# Altium PCB CFD_V1.03.PcbDoc (part 7 of 10)
Units mm, origin at the board's own origin, x right, y up, seen from the top; angles counter-clockwise.
Board outline 96.25 x 362.25 mm, 6 copper layers (Top, L2, L3, L4, L5, Bot), stack 1.496 mm thick; 1353 components, 761 nets, 4147 pads, 1354 vias.
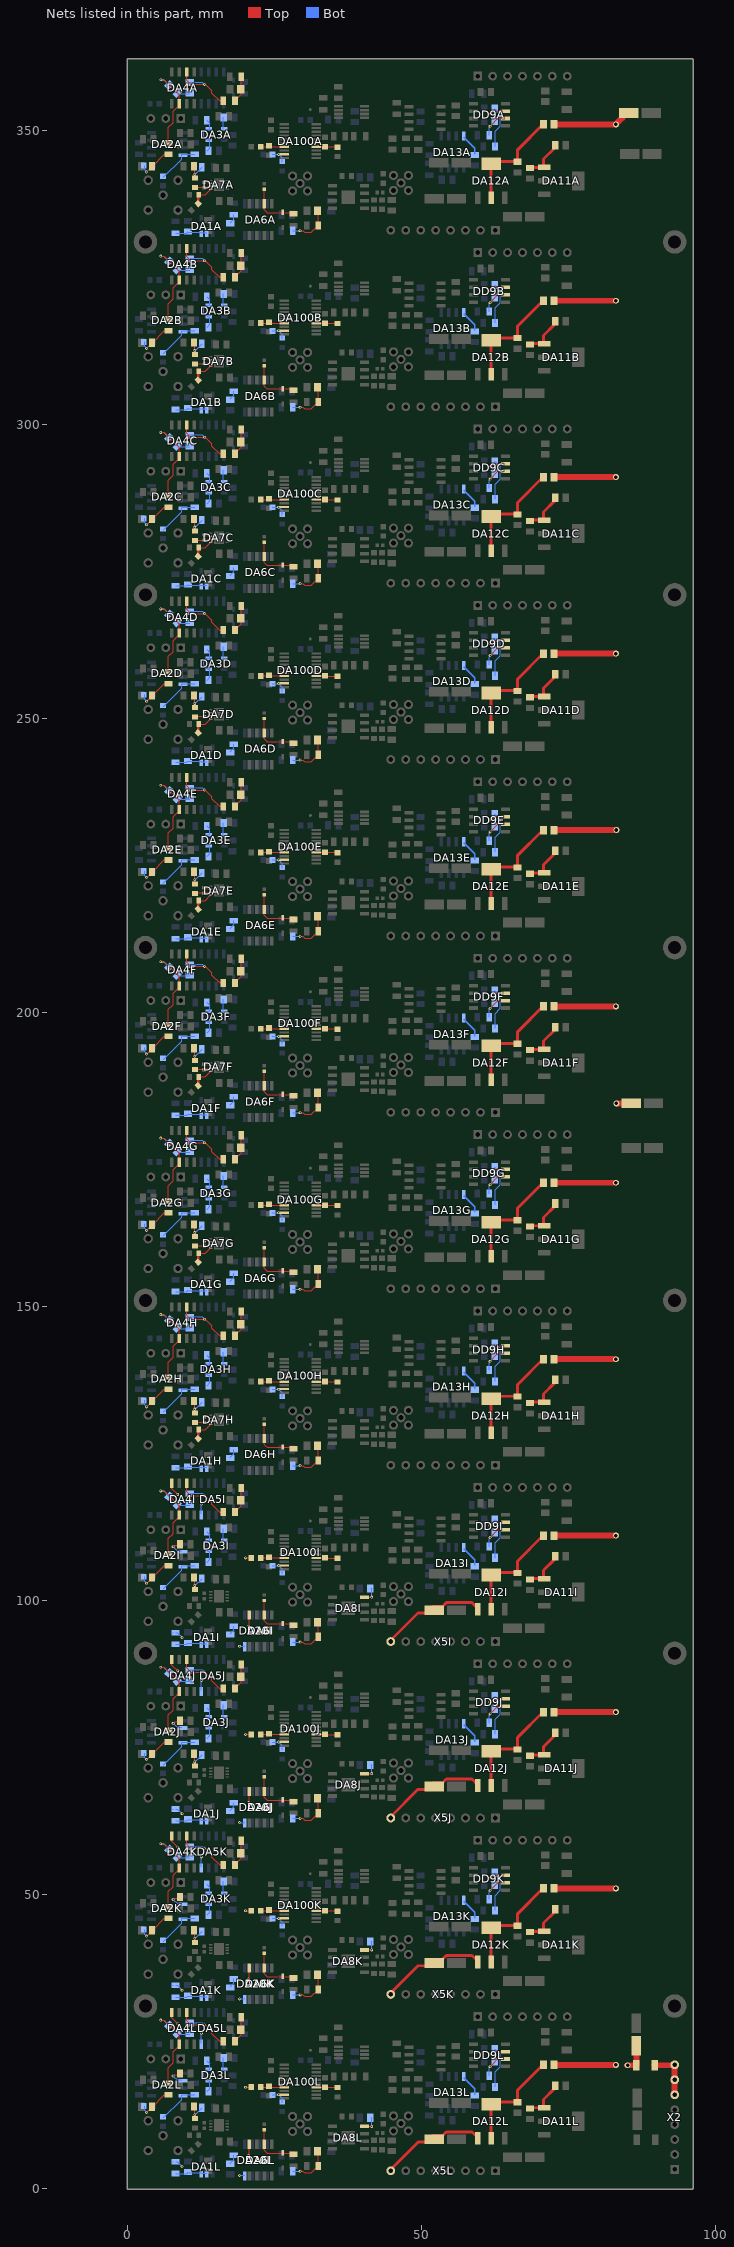
[diagram p11: the nets of this part, all layers, seen from the top]

## Via types
v1: diameter 0.48, hole 0.25, Top to Bot, tented both sides, 1301 vias
v2: diameter 1, hole 0.6, Top to Bot, tented both sides, 46 vias
v3: diameter 0.2/0.48/0.48/0.48/0.48/0.48 (per signal layer), hole 0.25, Top to Bot, tented both sides, 3 vias
v4: diameter 0.2/0/0/0/0/0.48 (per signal layer), hole 0.25, Top to Bot, tented both sides, 3 vias
v5: diameter 0.48/0.48/0.48/0.48/0.48/0.48 (per signal layer), hole 0.25, Top to Bot, tented both sides, 1 vias

## Nets (pads, with @x,y where several pads share a name; then routed paths per layer and width w, separated by ;. In a path a pad name is that pad's centre, name@x,y a point inside that pad or via, vN(x,y) a via of type N, cw(c..) or ccw(c..) an arc to the next point about the centre after c; other vN are vias at no path point) (continued)
N5V0I: C10I.2 C38I.2 C146I.2 DA2I.6 DA4I.4 DA5I.4 DA6I.4 DA8I.4 DA12I.1 DA20I.4 L300I.1 R1I.1 X5I.8 | length 34.1
  Top w0.2: DA4I.4@7.46,119.7 7.46,118.995 8.455,118 v1(8.5,118) ; v1(7.7,109.1) 7.776,109.1 8,109.324 8.43,109.324 8.8,109.694 C10I.2@8.8,109.7 ; v1(20.03,107.2) 21.18,107.2 21.18,107.297 L300I.1@20.926,107.551 ; v1(20.5,95.6) 20.5,95.676 20.66,95.836 DA6I.4@20.66,97.3 ; DA8I.4@40,100.54 40.03,100.54 v1(41.5,100.54)
  Top w0.5: X5I.8@44.77,93.25 49.37,97.85 50.65,97.85 51.2,98.4 51.75,98.95 53.519,98.95 54.169,99.6 58.55,99.6 59.5,98.65 DA12I.1@59.5,98.4
  Bot w0.2: R1I.1@7.43,94.5 R1I.1@7.73,94.5 ; v1(7.7,109.1) 7.745,109.1 8.405,108.44 DA2I.6@9.2,108.44 ; R1I.1@8.13,94.5 8.43,94.5 v1(9.23,93.7) ; DA5I.4@12.53,114.7 v1(12.53,116.37) ; v1(19,92.2) 19.79,92.2 DA20I.4@19.9,92.31 ; C38I.2@41.33,102.1 41.5,101.93 v1(41.5,100.54)
N5V0J: C10J.2 C38J.2 C146J.2 DA2J.6 DA4J.4 DA5J.4 DA6J.4 DA8J.4 DA12J.1 DA20J.4 L300J.1 R1J.1 X5J.8 | length 34.1
  Top w0.2: DA4J.4@7.46,89.7 7.46,88.995 8.455,88 v1(8.5,88) ; v1(7.7,79.1) 7.776,79.1 8,79.324 8.43,79.324 8.8,79.694 C10J.2@8.8,79.7 ; v1(20.03,77.2) 21.18,77.2 21.18,77.297 L300J.1@20.926,77.551 ; v1(20.5,65.6) 20.5,65.676 20.66,65.836 DA6J.4@20.66,67.3 ; DA8J.4@40,70.54 40.03,70.54 v1(41.5,70.54)
  Top w0.5: X5J.8@44.77,63.25 49.37,67.85 50.65,67.85 51.2,68.4 51.75,68.95 53.519,68.95 54.169,69.6 58.55,69.6 59.5,68.65 DA12J.1@59.5,68.4
  Bot w0.2: R1J.1@7.43,64.5 R1J.1@7.73,64.5 ; v1(7.7,79.1) 7.745,79.1 8.405,78.44 DA2J.6@9.2,78.44 ; R1J.1@8.13,64.5 8.43,64.5 v1(9.23,63.7) ; DA5J.4@12.53,84.7 v1(12.53,86.37) ; v1(19,62.2) 19.79,62.2 DA20J.4@19.9,62.31 ; C38J.2@41.33,72.1 41.5,71.93 v1(41.5,70.54)
N5V0K: C10K.2 C38K.2 C146K.2 DA2K.6 DA4K.4 DA5K.4 DA6K.4 DA8K.4 DA12K.1 DA20K.4 L300K.1 R1K.1 X5K.8 | length 34.1
  Top w0.2: DA4K.4@7.46,59.7 7.46,58.995 8.455,58 v1(8.5,58) ; v1(7.7,49.1) 7.776,49.1 8,49.324 8.43,49.324 8.8,49.694 C10K.2@8.8,49.7 ; v1(20.03,47.2) 21.18,47.2 21.18,47.297 L300K.1@20.926,47.551 ; v1(20.5,35.6) 20.5,35.676 20.66,35.836 DA6K.4@20.66,37.3 ; DA8K.4@40,40.54 40.03,40.54 v1(41.5,40.54)
  Top w0.5: X5K.8@44.77,33.25 49.37,37.85 50.65,37.85 51.2,38.4 51.75,38.95 53.519,38.95 54.169,39.6 58.55,39.6 59.5,38.65 DA12K.1@59.5,38.4
  Bot w0.2: R1K.1@7.43,34.5 R1K.1@7.73,34.5 ; v1(7.7,49.1) 7.745,49.1 8.405,48.44 DA2K.6@9.2,48.44 ; R1K.1@8.13,34.5 8.43,34.5 v1(9.23,33.7) ; DA5K.4@12.53,54.7 v1(12.53,56.37) ; v1(19,32.2) 19.79,32.2 DA20K.4@19.9,32.31 ; C38K.2@41.33,42.1 41.5,41.93 v1(41.5,40.54)
N5V0L: C10L.2 C38L.2 C146L.2 DA2L.6 DA4L.4 DA5L.4 DA6L.4 DA8L.4 DA12L.1 DA20L.4 L300L.1 R1L.1 X5L.8 | length 34.1
  Top w0.2: DA4L.4@7.46,29.7 7.46,28.995 8.455,28 v1(8.5,28) ; v1(7.7,19.1) 7.776,19.1 8,19.324 8.43,19.324 8.8,19.694 C10L.2@8.8,19.7 ; v1(20.03,17.2) 21.18,17.2 21.18,17.297 L300L.1@20.926,17.551 ; v1(20.5,5.6) 20.5,5.676 20.66,5.836 DA6L.4@20.66,7.3 ; DA8L.4@40,10.54 40.03,10.54 v1(41.5,10.54)
  Top w0.5: X5L.8@44.77,3.25 49.37,7.85 50.65,7.85 51.2,8.4 51.75,8.95 53.519,8.95 54.169,9.6 58.55,9.6 59.5,8.65 DA12L.1@59.5,8.4
  Bot w0.2: R1L.1@7.43,4.5 R1L.1@7.73,4.5 ; v1(7.7,19.1) 7.745,19.1 8.405,18.44 DA2L.6@9.2,18.44 ; R1L.1@8.13,4.5 8.43,4.5 v1(9.23,3.7) ; DA5L.4@12.53,24.7 v1(12.53,26.37) ; v1(19,2.2) 19.79,2.2 DA20L.4@19.9,2.31 ; C38L.2@41.33,12.1 41.5,11.93 v1(41.5,10.54)
N5V5: C21.2 C45.2 C46.2 L4.2 L9A.1 L9B.1 L9C.1 L9D.1 L9E.1 L9F.1 L9G.1 L9H.1 L9I.1 L9J.1 L9K.1 L9L.1 | length 249.7
  Top w1: L9L.1@72.6,21.03 L9L.1@72.6,21 ; L9K.1@72.6,51.03 L9K.1@72.6,51 ; L9J.1@72.6,81.03 L9J.1@72.6,81 ; L9I.1@72.6,111.03 L9I.1@72.6,111 ; L9G.1@72.6,171.03 L9G.1@72.6,171 ; L9F.1@72.6,201.03 L9F.1@72.6,201 ; L9E.1@72.6,231.03 L9E.1@72.6,231 ; L9D.1@72.6,261.03 L9D.1@72.6,261 ; L9C.1@72.6,291.03 L9C.1@72.6,291 ; L9B.1@72.6,321.03 L9B.1@72.6,321 ; L9A.1@72.6,351.03 72.6,351 v2(83,351) 84.1,352.1 84.1,352.6 84.4,352.9 C46.2@85,352.9 ; v2@83,231 L9E.1@72.6,231 ; v2(83.1,184.5) C21.2@85.3,184.5 ; v2(83.1,231) L9E.1@72.6,231 ; v2(85,20.94) 86.5,20.94 86.5,24.129 C45.2@86.5,24.2 ; L9L.1@72.6,21 v2(83,21) L9L.1@72.6,21 ; L9K.1@72.6,51 v2(83,51) L9K.1@72.6,51 ; L9J.1@72.6,81 v2(83,81) L9J.1@72.6,81 ; L9I.1@72.6,111 v2(83,111) L9I.1@72.6,111 ; L9G.1@72.6,171 v2(83,171) L9G.1@72.6,171 ; L9F.1@72.6,201 v2(83,201) L9F.1@72.6,201 ; L9D.1@72.6,261 v2(83,261) L9D.1@72.6,261 ; L9C.1@72.6,291 v2(83,291) L9C.1@72.6,291 ; L9B.1@72.6,321 v2(83,321) L9B.1@72.6,321 ; L9H.1@72.6,141 v2(83,141) 82.97,141.03 72.6,141.03 L9H.1@72.6,141
N5V5_PM12: L4.1 X2.6 X2.7 X2.8 | length 8.4
  Top w1: L4.1@89.6,20.94 92.94,20.94 93,20.88 93,18.46 X2.6@93,15.92
NetC1A_2: C1A.2 DA3A.1 DA3A.3 pad.1@13.95,350.2 R25A.2 | length 7.1
  Bot w0.2: R25A.2@13.43,351.7 13.95,351.18 pad.1@13.95,350.2 13.34,350.2 12.9,349.76 12.9,348.975 13.575,348.3 13.95,348.3 13.95,346.97 C1A.2@13.48,346.5
NetC1B_2: C1B.2 DA3B.1 DA3B.3 R25B.2 | length 7.1
  Bot w0.2: R25B.2@13.43,321.7 13.95,321.18 13.95,320.2 13.34,320.2 12.9,319.76 12.9,318.975 13.575,318.3 13.95,318.3 13.95,316.97 C1B.2@13.48,316.5
NetC1C_2: C1C.2 DA3C.1 DA3C.3 R25C.2 | length 7.1
  Bot w0.2: R25C.2@13.43,291.7 13.95,291.18 13.95,290.2 13.34,290.2 12.9,289.76 12.9,288.975 13.575,288.3 13.95,288.3 13.95,286.97 C1C.2@13.48,286.5
NetC1D_2: C1D.2 DA3D.1 DA3D.3 R25D.2 | length 7.1
  Bot w0.2: R25D.2@13.43,261.7 13.95,261.18 13.95,260.2 13.34,260.2 12.9,259.76 12.9,258.975 13.575,258.3 13.95,258.3 13.95,256.97 C1D.2@13.48,256.5
NetC1E_2: C1E.2 DA3E.1 DA3E.3 R25E.2 | length 7.1
  Bot w0.2: R25E.2@13.43,231.7 13.95,231.18 13.95,230.2 13.34,230.2 12.9,229.76 12.9,228.975 13.575,228.3 13.95,228.3 13.95,226.97 C1E.2@13.48,226.5
NetC1F_2: C1F.2 DA3F.1 DA3F.3 R25F.2 | length 7.1
  Bot w0.2: R25F.2@13.43,201.7 13.95,201.18 13.95,200.2 13.34,200.2 12.9,199.76 12.9,198.975 13.575,198.3 13.95,198.3 13.95,196.97 C1F.2@13.48,196.5
NetC1G_2: C1G.2 DA3G.1 DA3G.3 R25G.2 | length 7.1
  Bot w0.2: R25G.2@13.43,171.7 13.95,171.18 13.95,170.2 13.34,170.2 12.9,169.76 12.9,168.975 13.575,168.3 13.95,168.3 13.95,166.97 C1G.2@13.48,166.5
NetC1H_2: C1H.2 DA3H.1 DA3H.3 R25H.2 | length 7.1
  Bot w0.2: R25H.2@13.43,141.7 13.95,141.18 13.95,140.2 13.34,140.2 12.9,139.76 12.9,138.975 13.575,138.3 13.95,138.3 13.95,136.97 C1H.2@13.48,136.5
NetC1I_2: C1I.2 DA3I.1 DA3I.3 R25I.2 | length 7.1
  Bot w0.2: R25I.2@13.43,111.7 13.95,111.18 13.95,110.2 13.34,110.2 12.9,109.76 12.9,108.975 13.575,108.3 13.95,108.3 13.95,106.97 C1I.2@13.48,106.5
NetC1J_2: C1J.2 DA3J.1 DA3J.3 R25J.2 | length 7.1
  Bot w0.2: R25J.2@13.43,81.7 13.95,81.18 13.95,80.2 13.34,80.2 12.9,79.76 12.9,78.975 13.575,78.3 13.95,78.3 13.95,76.97 C1J.2@13.48,76.5
NetC1K_2: C1K.2 DA3K.1 DA3K.3 R25K.2 | length 7.1
  Bot w0.2: R25K.2@13.43,51.7 13.95,51.18 13.95,50.2 13.34,50.2 12.9,49.76 12.9,48.975 13.575,48.3 13.95,48.3 13.95,46.97 C1K.2@13.48,46.5
NetC1L_2: C1L.2 DA3L.1 DA3L.3 R25L.2 | length 7.1
  Bot w0.2: R25L.2@13.43,21.7 13.95,21.18 13.95,20.2 13.34,20.2 12.9,19.76 12.9,18.975 13.575,18.3 13.95,18.3 13.95,16.97 C1L.2@13.48,16.5
NetC2A_2: C2A.2 R9A.1 R10A.2 | length 6.2
  Top w0.2: v1(3.2,342.9) 4.2,343.9 6.2,345.9 R10A.2@6.9,345.9
  Bot w0.2: R9A.1@2.85,344 2.85,343.25 v1(3.2,342.9)
NetC2B_2: C2B.2 R9B.1 R10B.2 | length 6.2
  Top w0.2: v1(3.2,312.9) 4.2,313.9 6.2,315.9 R10B.2@6.9,315.9
  Bot w0.2: R9B.1@2.85,314 2.85,313.25 v1(3.2,312.9)
NetC2C_2: C2C.2 R9C.1 R10C.2 | length 6.2
  Top w0.2: v1(3.2,282.9) 4.2,283.9 6.2,285.9 R10C.2@6.9,285.9
  Bot w0.2: R9C.1@2.85,284 2.85,283.25 v1(3.2,282.9)
NetC2D_2: C2D.2 R9D.1 R10D.2 | length 6.2
  Top w0.2: v1(3.2,252.9) 4.2,253.9 6.2,255.9 R10D.2@6.9,255.9
  Bot w0.2: R9D.1@2.85,254 2.85,253.25 v1(3.2,252.9)
NetC2E_2: C2E.2 R9E.1 R10E.2 | length 6.2
  Top w0.2: v1(3.2,222.9) 4.2,223.9 6.2,225.9 R10E.2@6.9,225.9
  Bot w0.2: R9E.1@2.85,224 2.85,223.25 v1(3.2,222.9)
NetC2F_2: C2F.2 R9F.1 R10F.2 | length 6.2
  Top w0.2: v1(3.2,192.9) 4.2,193.9 6.2,195.9 R10F.2@6.9,195.9
  Bot w0.2: R9F.1@2.85,194 2.85,193.25 v1(3.2,192.9)
NetC2G_2: C2G.2 R9G.1 R10G.2 | length 6.2
  Top w0.2: v1(3.2,162.9) 4.2,163.9 6.2,165.9 R10G.2@6.9,165.9
  Bot w0.2: R9G.1@2.85,164 2.85,163.25 v1(3.2,162.9)
NetC2H_2: C2H.2 R9H.1 R10H.2 | length 6.2
  Top w0.2: v1(3.2,132.9) 4.2,133.9 6.2,135.9 R10H.2@6.9,135.9
  Bot w0.2: R9H.1@2.85,134 2.85,133.25 v1(3.2,132.9)
NetC2I_2: C2I.2 R9I.1 R10I.2 | length 6.2
  Top w0.2: v1(3.2,102.9) 4.2,103.9 6.2,105.9 R10I.2@6.9,105.9
  Bot w0.2: R9I.1@2.85,104 2.85,103.25 v1(3.2,102.9)
NetC2J_2: C2J.2 R9J.1 R10J.2 | length 6.2
  Top w0.2: v1(3.2,72.9) 4.2,73.9 6.2,75.9 R10J.2@6.9,75.9
  Bot w0.2: R9J.1@2.85,74 2.85,73.25 v1(3.2,72.9)
NetC2K_2: C2K.2 R9K.1 R10K.2 | length 6.2
  Top w0.2: v1(3.2,42.9) 4.2,43.9 6.2,45.9 R10K.2@6.9,45.9
  Bot w0.2: R9K.1@2.85,44 2.85,43.25 v1(3.2,42.9)
NetC2L_2: C2L.2 R9L.1 R10L.2 | length 6.2
  Top w0.2: v1(3.2,12.9) 4.2,13.9 6.2,15.9 R10L.2@6.9,15.9
  Bot w0.2: R9L.1@2.85,14 2.85,13.25 v1(3.2,12.9)
NetC4A_2: C4A.2 R12A.1 R13A.2 | length 4.6
  Top w0.2: R12A.1@18.2,355 19.3,356.1 19.3,357 R13A.2@19.3,359.1
NetC4B_2: C4B.2 R12B.1 R13B.2 | length 4.6
  Top w0.2: R12B.1@18.2,325 19.3,326.1 19.3,327 R13B.2@19.3,329.1
NetC4C_2: C4C.2 R12C.1 R13C.2 | length 4.6
  Top w0.2: R12C.1@18.2,295 19.3,296.1 19.3,297 R13C.2@19.3,299.1
NetC4D_2: C4D.2 R12D.1 R13D.2 | length 4.6
  Top w0.2: R12D.1@18.2,265 19.3,266.1 19.3,267 R13D.2@19.3,269.1
NetC4E_2: C4E.2 R12E.1 R13E.2 | length 4.6
  Top w0.2: R12E.1@18.2,235 19.3,236.1 19.3,237 R13E.2@19.3,239.1
NetC4F_2: C4F.2 R12F.1 R13F.2 | length 4.6
  Top w0.2: R12F.1@18.2,205 19.3,206.1 19.3,207 R13F.2@19.3,209.1
NetC4G_2: C4G.2 R12G.1 R13G.2 | length 4.6
  Top w0.2: R12G.1@18.2,175 19.3,176.1 19.3,177 R13G.2@19.3,179.1
NetC4H_2: C4H.2 R12H.1 R13H.2 | length 4.6
  Top w0.2: R12H.1@18.2,145 19.3,146.1 19.3,147 R13H.2@19.3,149.1
NetC4I_2: C4I.2 R12I.1 R13I.2 | length 4.6
  Top w0.2: R12I.1@18.2,115 19.3,116.1 19.3,117 R13I.2@19.3,119.1
NetC4J_2: C4J.2 R12J.1 R13J.2 | length 4.6
  Top w0.2: R12J.1@18.2,85 19.3,86.1 19.3,87 R13J.2@19.3,89.1
NetC4K_2: C4K.2 R12K.1 R13K.2 | length 4.6
  Top w0.2: R12K.1@18.2,55 19.3,56.1 19.3,57 R13K.2@19.3,59.1
NetC4L_2: C4L.2 R12L.1 R13L.2 | length 4.6
  Top w0.2: R12L.1@18.2,25 19.3,26.1 19.3,27 R13L.2@19.3,29.1
NetC5A_1: C5A.1 R15A.1 | length 2
  Bot w0.2: R15A.1@8.5,356.2 C5A.1@10.5,356.2
NetC5A_2: C5A.2 DA4A.2 R12A.2 | length 11.8
  Top w0.2: DA4A.2@10,359.7 10,358.5 10.7,357.8 v1(13.05,357.8) 13.19,357.8 14.3,356.69 14.3,356.3 15.6,355 R12A.2@16.2,355
  Bot w0.2: C5A.2@10.5,358.2 12.65,358.2 v1(13.05,357.8)
NetC5B_1: C5B.1 R15B.1 | length 2
  Bot w0.2: R15B.1@8.5,326.2 C5B.1@10.5,326.2
NetC5B_2: C5B.2 DA4B.2 R12B.2 | length 11.8
  Top w0.2: DA4B.2@10,329.7 10,328.5 10.7,327.8 v1(13.05,327.8) 13.19,327.8 14.3,326.69 14.3,326.3 15.6,325 R12B.2@16.2,325
  Bot w0.2: C5B.2@10.5,328.2 12.65,328.2 v1(13.05,327.8)
NetC5C_1: C5C.1 R15C.1 | length 2
  Bot w0.2: R15C.1@8.5,296.2 C5C.1@10.5,296.2
NetC5C_2: C5C.2 DA4C.2 R12C.2 | length 11.8
  Top w0.2: DA4C.2@10,299.7 10,298.5 10.7,297.8 v1(13.05,297.8) 13.19,297.8 14.3,296.69 14.3,296.3 15.6,295 R12C.2@16.2,295
  Bot w0.2: C5C.2@10.5,298.2 12.65,298.2 v1(13.05,297.8)
NetC5D_1: C5D.1 R15D.1 | length 2
  Bot w0.2: R15D.1@8.5,266.2 C5D.1@10.5,266.2
NetC5D_2: C5D.2 DA4D.2 R12D.2 | length 11.8
  Top w0.2: DA4D.2@10,269.7 10,268.5 10.7,267.8 v1(13.05,267.8) 13.19,267.8 14.3,266.69 14.3,266.3 15.6,265 R12D.2@16.2,265
  Bot w0.2: C5D.2@10.5,268.2 12.65,268.2 v1(13.05,267.8)
NetC5E_1: C5E.1 R15E.1 | length 2
  Bot w0.2: R15E.1@8.5,236.2 C5E.1@10.5,236.2
NetC5E_2: C5E.2 DA4E.2 R12E.2 | length 11.8
  Top w0.2: DA4E.2@10,239.7 10,238.5 10.7,237.8 v1(13.05,237.8) 13.19,237.8 14.3,236.69 14.3,236.3 15.6,235 R12E.2@16.2,235
  Bot w0.2: C5E.2@10.5,238.2 12.65,238.2 v1(13.05,237.8)
NetC5F_1: C5F.1 R15F.1 | length 2
  Bot w0.2: R15F.1@8.5,206.2 C5F.1@10.5,206.2
NetC5F_2: C5F.2 DA4F.2 R12F.2 | length 11.8
  Top w0.2: DA4F.2@10,209.7 10,208.5 10.7,207.8 v1(13.05,207.8) 13.19,207.8 14.3,206.69 14.3,206.3 15.6,205 R12F.2@16.2,205
  Bot w0.2: C5F.2@10.5,208.2 12.65,208.2 v1(13.05,207.8)
NetC5G_1: C5G.1 R15G.1 | length 2
  Bot w0.2: R15G.1@8.5,176.2 C5G.1@10.5,176.2
NetC5G_2: C5G.2 DA4G.2 R12G.2 | length 11.8
  Top w0.2: DA4G.2@10,179.7 10,178.5 10.7,177.8 v1(13.05,177.8) 13.19,177.8 14.3,176.69 14.3,176.3 15.6,175 R12G.2@16.2,175
  Bot w0.2: C5G.2@10.5,178.2 12.65,178.2 v1(13.05,177.8)
NetC5H_1: C5H.1 R15H.1 | length 2
  Bot w0.2: R15H.1@8.5,146.2 C5H.1@10.5,146.2
NetC5H_2: C5H.2 DA4H.2 R12H.2 | length 11.8
  Top w0.2: DA4H.2@10,149.7 10,148.5 10.7,147.8 v1(13.05,147.8) 13.19,147.8 14.3,146.69 14.3,146.3 15.6,145 R12H.2@16.2,145
  Bot w0.2: C5H.2@10.5,148.2 12.65,148.2 v1(13.05,147.8)
NetC5I_1: C5I.1 R15I.1 | length 2
  Bot w0.2: R15I.1@8.5,116.2 C5I.1@10.5,116.2
NetC5I_2: C5I.2 DA4I.2 R12I.2 | length 11.8
  Top w0.2: DA4I.2@10,119.7 10,118.5 10.7,117.8 v1(13.05,117.8) 13.19,117.8 14.3,116.69 14.3,116.3 15.6,115 R12I.2@16.2,115
  Bot w0.2: C5I.2@10.5,118.2 12.65,118.2 v1(13.05,117.8)
NetC5J_1: C5J.1 R15J.1 | length 2
  Bot w0.2: R15J.1@8.5,86.2 C5J.1@10.5,86.2
NetC5J_2: C5J.2 DA4J.2 R12J.2 | length 11.8
  Top w0.2: DA4J.2@10,89.7 10,88.5 10.7,87.8 v1(13.05,87.8) 13.19,87.8 14.3,86.69 14.3,86.3 15.6,85 R12J.2@16.2,85
  Bot w0.2: C5J.2@10.5,88.2 12.65,88.2 v1(13.05,87.8)
NetC5K_1: C5K.1 R15K.1 | length 2
  Bot w0.2: R15K.1@8.5,56.2 C5K.1@10.5,56.2
NetC5K_2: C5K.2 DA4K.2 R12K.2 | length 11.8
  Top w0.2: DA4K.2@10,59.7 10,58.5 10.7,57.8 v1(13.05,57.8) 13.19,57.8 14.3,56.69 14.3,56.3 15.6,55 R12K.2@16.2,55
  Bot w0.2: C5K.2@10.5,58.2 12.65,58.2 v1(13.05,57.8)
NetC5L_1: C5L.1 R15L.1 | length 2
  Bot w0.2: R15L.1@8.5,26.2 C5L.1@10.5,26.2
NetC5L_2: C5L.2 DA4L.2 R12L.2 | length 11.8
  Top w0.2: DA4L.2@10,29.7 10,28.5 10.7,27.8 v1(13.05,27.8) 13.19,27.8 14.3,26.69 14.3,26.3 15.6,25 R12L.2@16.2,25
  Bot w0.2: C5L.2@10.5,28.2 12.65,28.2 v1(13.05,27.8)
NetC6A_2: C6A.2 DA3A.4 | length 2
  Bot w0.2: DA3A.4@16.2,350.2 C6A.2@16.2,352.2
NetC6B_2: C6B.2 DA3B.4 | length 2
  Bot w0.2: DA3B.4@16.2,320.2 C6B.2@16.2,322.2
NetC6C_2: C6C.2 DA3C.4 | length 2
  Bot w0.2: DA3C.4@16.2,290.2 C6C.2@16.2,292.2
NetC6D_2: C6D.2 DA3D.4 | length 2
  Bot w0.2: DA3D.4@16.2,260.2 C6D.2@16.2,262.2
NetC6E_2: C6E.2 DA3E.4 | length 2
  Bot w0.2: DA3E.4@16.2,230.2 C6E.2@16.2,232.2
NetC6F_2: C6F.2 DA3F.4 | length 2
  Bot w0.2: DA3F.4@16.2,200.2 C6F.2@16.2,202.2
NetC6G_2: C6G.2 DA3G.4 | length 2
  Bot w0.2: DA3G.4@16.2,170.2 C6G.2@16.2,172.2
NetC6H_2: C6H.2 DA3H.4 | length 2
  Bot w0.2: DA3H.4@16.2,140.2 C6H.2@16.2,142.2
NetC6I_2: C6I.2 DA3I.4 | length 2
  Bot w0.2: DA3I.4@16.2,110.2 C6I.2@16.2,112.2
NetC6J_2: C6J.2 DA3J.4 | length 2
  Bot w0.2: DA3J.4@16.2,80.2 C6J.2@16.2,82.2
NetC6K_2: C6K.2 DA3K.4 | length 2
  Bot w0.2: DA3K.4@16.2,50.2 C6K.2@16.2,52.2
NetC6L_2: C6L.2 DA3L.4 | length 2
  Bot w0.2: DA3L.4@16.2,20.2 C6L.2@16.2,22.2
NetC13A_2: C13A.2 R42A.1 R43A.2 | length 7.4
  Top w0.2: v1(29.3,332.9) 29.794,332.9 30.069,332.625 31.225,332.625 32.4,333.8 C13A.2@32.4,336.3
  Bot w0.2: R42A.1@28.086,332.9 v1(29.3,332.9)
NetC13B_2: C13B.2 R42B.1 R43B.2 | length 7.4
  Top w0.2: v1(29.3,302.9) 29.794,302.9 30.069,302.625 31.225,302.625 32.4,303.8 C13B.2@32.4,306.3
  Bot w0.2: R42B.1@28.086,302.9 v1(29.3,302.9)
NetC13C_2: C13C.2 R42C.1 R43C.2 | length 7.4
  Top w0.2: v1(29.3,272.9) 29.794,272.9 30.069,272.625 31.225,272.625 32.4,273.8 C13C.2@32.4,276.3
  Bot w0.2: R42C.1@28.086,272.9 v1(29.3,272.9)
NetC13D_2: C13D.2 R42D.1 R43D.2 | length 7.4
  Top w0.2: v1(29.3,242.9) 29.794,242.9 30.069,242.625 31.225,242.625 32.4,243.8 C13D.2@32.4,246.3
  Bot w0.2: R42D.1@28.086,242.9 v1(29.3,242.9)
NetC13E_2: C13E.2 R42E.1 R43E.2 | length 7.4
  Top w0.2: v1(29.3,212.9) 29.794,212.9 30.069,212.625 31.225,212.625 32.4,213.8 C13E.2@32.4,216.3
  Bot w0.2: R42E.1@28.086,212.9 v1(29.3,212.9)
NetC13F_2: C13F.2 R42F.1 R43F.2 | length 7.4
  Top w0.2: v1(29.3,182.9) 29.794,182.9 30.069,182.625 31.225,182.625 32.4,183.8 C13F.2@32.4,186.3
  Bot w0.2: R42F.1@28.086,182.9 v1(29.3,182.9)
NetC13G_2: C13G.2 R42G.1 R43G.2 | length 7.4
  Top w0.2: v1(29.3,152.9) 29.794,152.9 30.069,152.625 31.225,152.625 32.4,153.8 C13G.2@32.4,156.3
  Bot w0.2: R42G.1@28.086,152.9 v1(29.3,152.9)
NetC13H_2: C13H.2 R42H.1 R43H.2 | length 7.4
  Top w0.2: v1(29.3,122.9) 29.794,122.9 30.069,122.625 31.225,122.625 32.4,123.8 C13H.2@32.4,126.3
  Bot w0.2: R42H.1@28.086,122.9 v1(29.3,122.9)
NetC13I_2: C13I.2 R42I.1 R43I.2 | length 7.4
  Top w0.2: v1(29.3,92.9) 29.794,92.9 30.069,92.625 31.225,92.625 32.4,93.8 C13I.2@32.4,96.3
  Bot w0.2: R42I.1@28.086,92.9 v1(29.3,92.9)
NetC13J_2: C13J.2 R42J.1 R43J.2 | length 7.4
  Top w0.2: v1(29.3,62.9) 29.794,62.9 30.069,62.625 31.225,62.625 32.4,63.8 C13J.2@32.4,66.3
  Bot w0.2: R42J.1@28.086,62.9 v1(29.3,62.9)
NetC13K_2: C13K.2 R42K.1 R43K.2 | length 7.4
  Top w0.2: v1(29.3,32.9) 29.794,32.9 30.069,32.625 31.225,32.625 32.4,33.8 C13K.2@32.4,36.3
  Bot w0.2: R42K.1@28.086,32.9 v1(29.3,32.9)
NetC13L_2: C13L.2 R42L.1 R43L.2 | length 7.4
  Top w0.2: v1(29.3,2.9) 29.794,2.9 30.069,2.625 31.225,2.625 32.4,3.8 C13L.2@32.4,6.3
  Bot w0.2: R42L.1@28.086,2.9 v1(29.3,2.9)
NetC14A_2: C14A.2 pad.1@11.4,343.9 R40A.1 R41A.2 | length 4
  Top w0.2: R40A.1@11.4,341.65 11.388,341.662 v1(11.388,342.523) 11.388,343.888 pad.1@11.4,343.9
  Bot w0.2: v1(11.388,342.523) 11.453,342.523 R41A.2@12.63,343.7
NetC14B_2: C14B.2 R40B.1 R41B.2 | length 4
  Top w0.2: R40B.1@11.4,311.65 11.388,311.662 v1(11.388,312.523) 11.388,313.888 C14B.2@11.4,313.9
  Bot w0.2: v1(11.388,312.523) 11.453,312.523 R41B.2@12.63,313.7
NetC14C_2: C14C.2 R40C.1 R41C.2 | length 4
  Top w0.2: R40C.1@11.4,281.65 11.388,281.662 v1(11.388,282.523) 11.388,283.888 C14C.2@11.4,283.9
  Bot w0.2: v1(11.388,282.523) 11.453,282.523 R41C.2@12.63,283.7
NetC14D_2: C14D.2 R40D.1 R41D.2 | length 4
  Top w0.2: R40D.1@11.4,251.65 11.388,251.662 v1(11.388,252.523) 11.388,253.888 C14D.2@11.4,253.9
  Bot w0.2: v1(11.388,252.523) 11.453,252.523 R41D.2@12.63,253.7
NetC14E_2: C14E.2 R40E.1 R41E.2 | length 4
  Top w0.2: R40E.1@11.4,221.65 11.388,221.662 v1(11.388,222.523) 11.388,223.888 C14E.2@11.4,223.9
  Bot w0.2: v1(11.388,222.523) 11.453,222.523 R41E.2@12.63,223.7
NetC14F_2: C14F.2 R40F.1 R41F.2 | length 4
  Top w0.2: R40F.1@11.4,191.65 11.388,191.662 v1(11.388,192.523) 11.388,193.888 C14F.2@11.4,193.9
  Bot w0.2: v1(11.388,192.523) 11.453,192.523 R41F.2@12.63,193.7
NetC14G_2: C14G.2 R40G.1 R41G.2 | length 4
  Top w0.2: R40G.1@11.4,161.65 11.388,161.662 v1(11.388,162.523) 11.388,163.888 C14G.2@11.4,163.9
  Bot w0.2: v1(11.388,162.523) 11.453,162.523 R41G.2@12.63,163.7
NetC14H_2: C14H.2 R40H.1 R41H.2 | length 4
  Top w0.2: R40H.1@11.4,131.65 11.388,131.662 v1(11.388,132.523) 11.388,133.888 C14H.2@11.4,133.9
  Bot w0.2: v1(11.388,132.523) 11.453,132.523 R41H.2@12.63,133.7
NetC14I_2: C14I.2 R40I.1 R41I.2 | length 4
  Top w0.2: R40I.1@11.4,101.65 11.388,101.662 v1(11.388,102.523) 11.388,103.888 C14I.2@11.4,103.9
  Bot w0.2: v1(11.388,102.523) 11.453,102.523 R41I.2@12.63,103.7
NetC14J_2: C14J.2 R40J.1 R41J.2 | length 4
  Top w0.2: R40J.1@11.4,71.65 11.388,71.662 v1(11.388,72.523) 11.388,73.888 C14J.2@11.4,73.9
  Bot w0.2: v1(11.388,72.523) 11.453,72.523 R41J.2@12.63,73.7
NetC14K_2: C14K.2 R40K.1 R41K.2 | length 4
  Top w0.2: R40K.1@11.4,41.65 11.388,41.662 v1(11.388,42.523) 11.388,43.888 C14K.2@11.4,43.9
  Bot w0.2: v1(11.388,42.523) 11.453,42.523 R41K.2@12.63,43.7
NetC14L_2: C14L.2 R40L.1 R41L.2 | length 4
  Top w0.2: R40L.1@11.4,11.65 11.388,11.662 v1(11.388,12.523) 11.388,13.888 C14L.2@11.4,13.9
  Bot w0.2: v1(11.388,12.523) 11.453,12.523 R41L.2@12.63,13.7
NetC15A_2: C15A.2 R14A.1 | length 1.5
  Bot w0.2: C15A.2@17.4,334.3 18,334.9 R14A.1@18,335.6
NetC15B_2: C15B.2 R14B.1 | length 1.5
  Bot w0.2: C15B.2@17.4,304.3 18,304.9 R14B.1@18,305.6
NetC15C_2: C15C.2 R14C.1 | length 1.5
  Bot w0.2: C15C.2@17.4,274.3 18,274.9 R14C.1@18,275.6
NetC15D_2: C15D.2 R14D.1 | length 1.5
  Bot w0.2: C15D.2@17.4,244.3 18,244.9 R14D.1@18,245.6
NetC15E_2: C15E.2 R14E.1 | length 1.5
  Bot w0.2: C15E.2@17.4,214.3 18,214.9 R14E.1@18,215.6
NetC15F_2: C15F.2 R14F.1 | length 1.5
  Bot w0.2: C15F.2@17.4,184.3 18,184.9 R14F.1@18,185.6
NetC15G_2: C15G.2 R14G.1 | length 1.5
  Bot w0.2: C15G.2@17.4,154.3 18,154.9 R14G.1@18,155.6
NetC15H_2: C15H.2 R14H.1 | length 1.5
  Bot w0.2: C15H.2@17.4,124.3 18,124.9 R14H.1@18,125.6
NetC15I_2: C15I.2 R14I.1 | length 1.5
  Bot w0.2: C15I.2@17.4,94.3 18,94.9 R14I.1@18,95.6
NetC15J_2: C15J.2 R14J.1 | length 1.5
  Bot w0.2: C15J.2@17.4,64.3 18,64.9 R14J.1@18,65.6
NetC15K_2: C15K.2 R14K.1 | length 1.5
  Bot w0.2: C15K.2@17.4,34.3 18,34.9 R14K.1@18,35.6
NetC15L_2: C15L.2 R14L.1 | length 1.5
  Bot w0.2: C15L.2@17.4,4.3 18,4.9 R14L.1@18,5.6
NetC16A_2: C16A.2 DD9A.2 R44A.2 | length 5.3
  Top w0.2: v1(61.616,350.668) 62.945,351.997 DD9A.2@63.505,351.997
  Bot w0.2: R44A.2@61.431,349.133 61.431,350.484 v1(61.616,350.668) C16A.2@62.514,351.567
NetC16B_2: C16B.2 DD9B.2 R44B.2 | length 5.3
  Top w0.2: v1(61.616,320.668) 62.945,321.997 DD9B.2@63.505,321.997
  Bot w0.2: R44B.2@61.431,319.133 61.431,320.484 v1(61.616,320.668) C16B.2@62.514,321.567
NetC16C_2: C16C.2 DD9C.2 R44C.2 | length 5.3
  Top w0.2: v1(61.616,290.668) 62.944,291.997 DD9C.2@63.505,291.997
  Bot w0.2: R44C.2@61.431,289.133 61.431,290.484 v1(61.616,290.668) C16C.2@62.514,291.567
NetC16D_2: C16D.2 DD9D.2 R44D.2 | length 5.3
  Top w0.2: v1(61.616,260.668) 62.944,261.997 DD9D.2@63.505,261.997
  Bot w0.2: R44D.2@61.431,259.133 61.431,260.484 v1(61.616,260.668) C16D.2@62.514,261.567
NetC16E_2: C16E.2 DD9E.2 R44E.2 | length 5.3
  Top w0.2: v1(61.616,230.668) 62.944,231.997 DD9E.2@63.505,231.997
  Bot w0.2: R44E.2@61.431,229.133 61.431,230.484 v1(61.616,230.668) C16E.2@62.514,231.567
NetC16F_2: C16F.2 DD9F.2 R44F.2 | length 5.3
  Top w0.2: v1(61.616,200.668) 62.944,201.997 DD9F.2@63.505,201.997
  Bot w0.2: R44F.2@61.431,199.133 61.431,200.484 v1(61.616,200.668) C16F.2@62.514,201.567
NetC16G_2: C16G.2 DD9G.2 R44G.2 | length 5.3
  Top w0.2: v1(61.616,170.668) 62.944,171.997 DD9G.2@63.505,171.997
  Bot w0.2: R44G.2@61.431,169.133 61.431,170.484 v1(61.616,170.668) C16G.2@62.514,171.567
NetC16H_2: C16H.2 DD9H.2 R44H.2 | length 5.3
  Top w0.2: v1(61.616,140.668) 62.944,141.997 DD9H.2@63.505,141.997
  Bot w0.2: R44H.2@61.431,139.133 61.431,140.484 v1(61.616,140.668) C16H.2@62.514,141.567